# Altium PCB 2-quilter-output.pcbdoc (part 4 of 17) (continued)
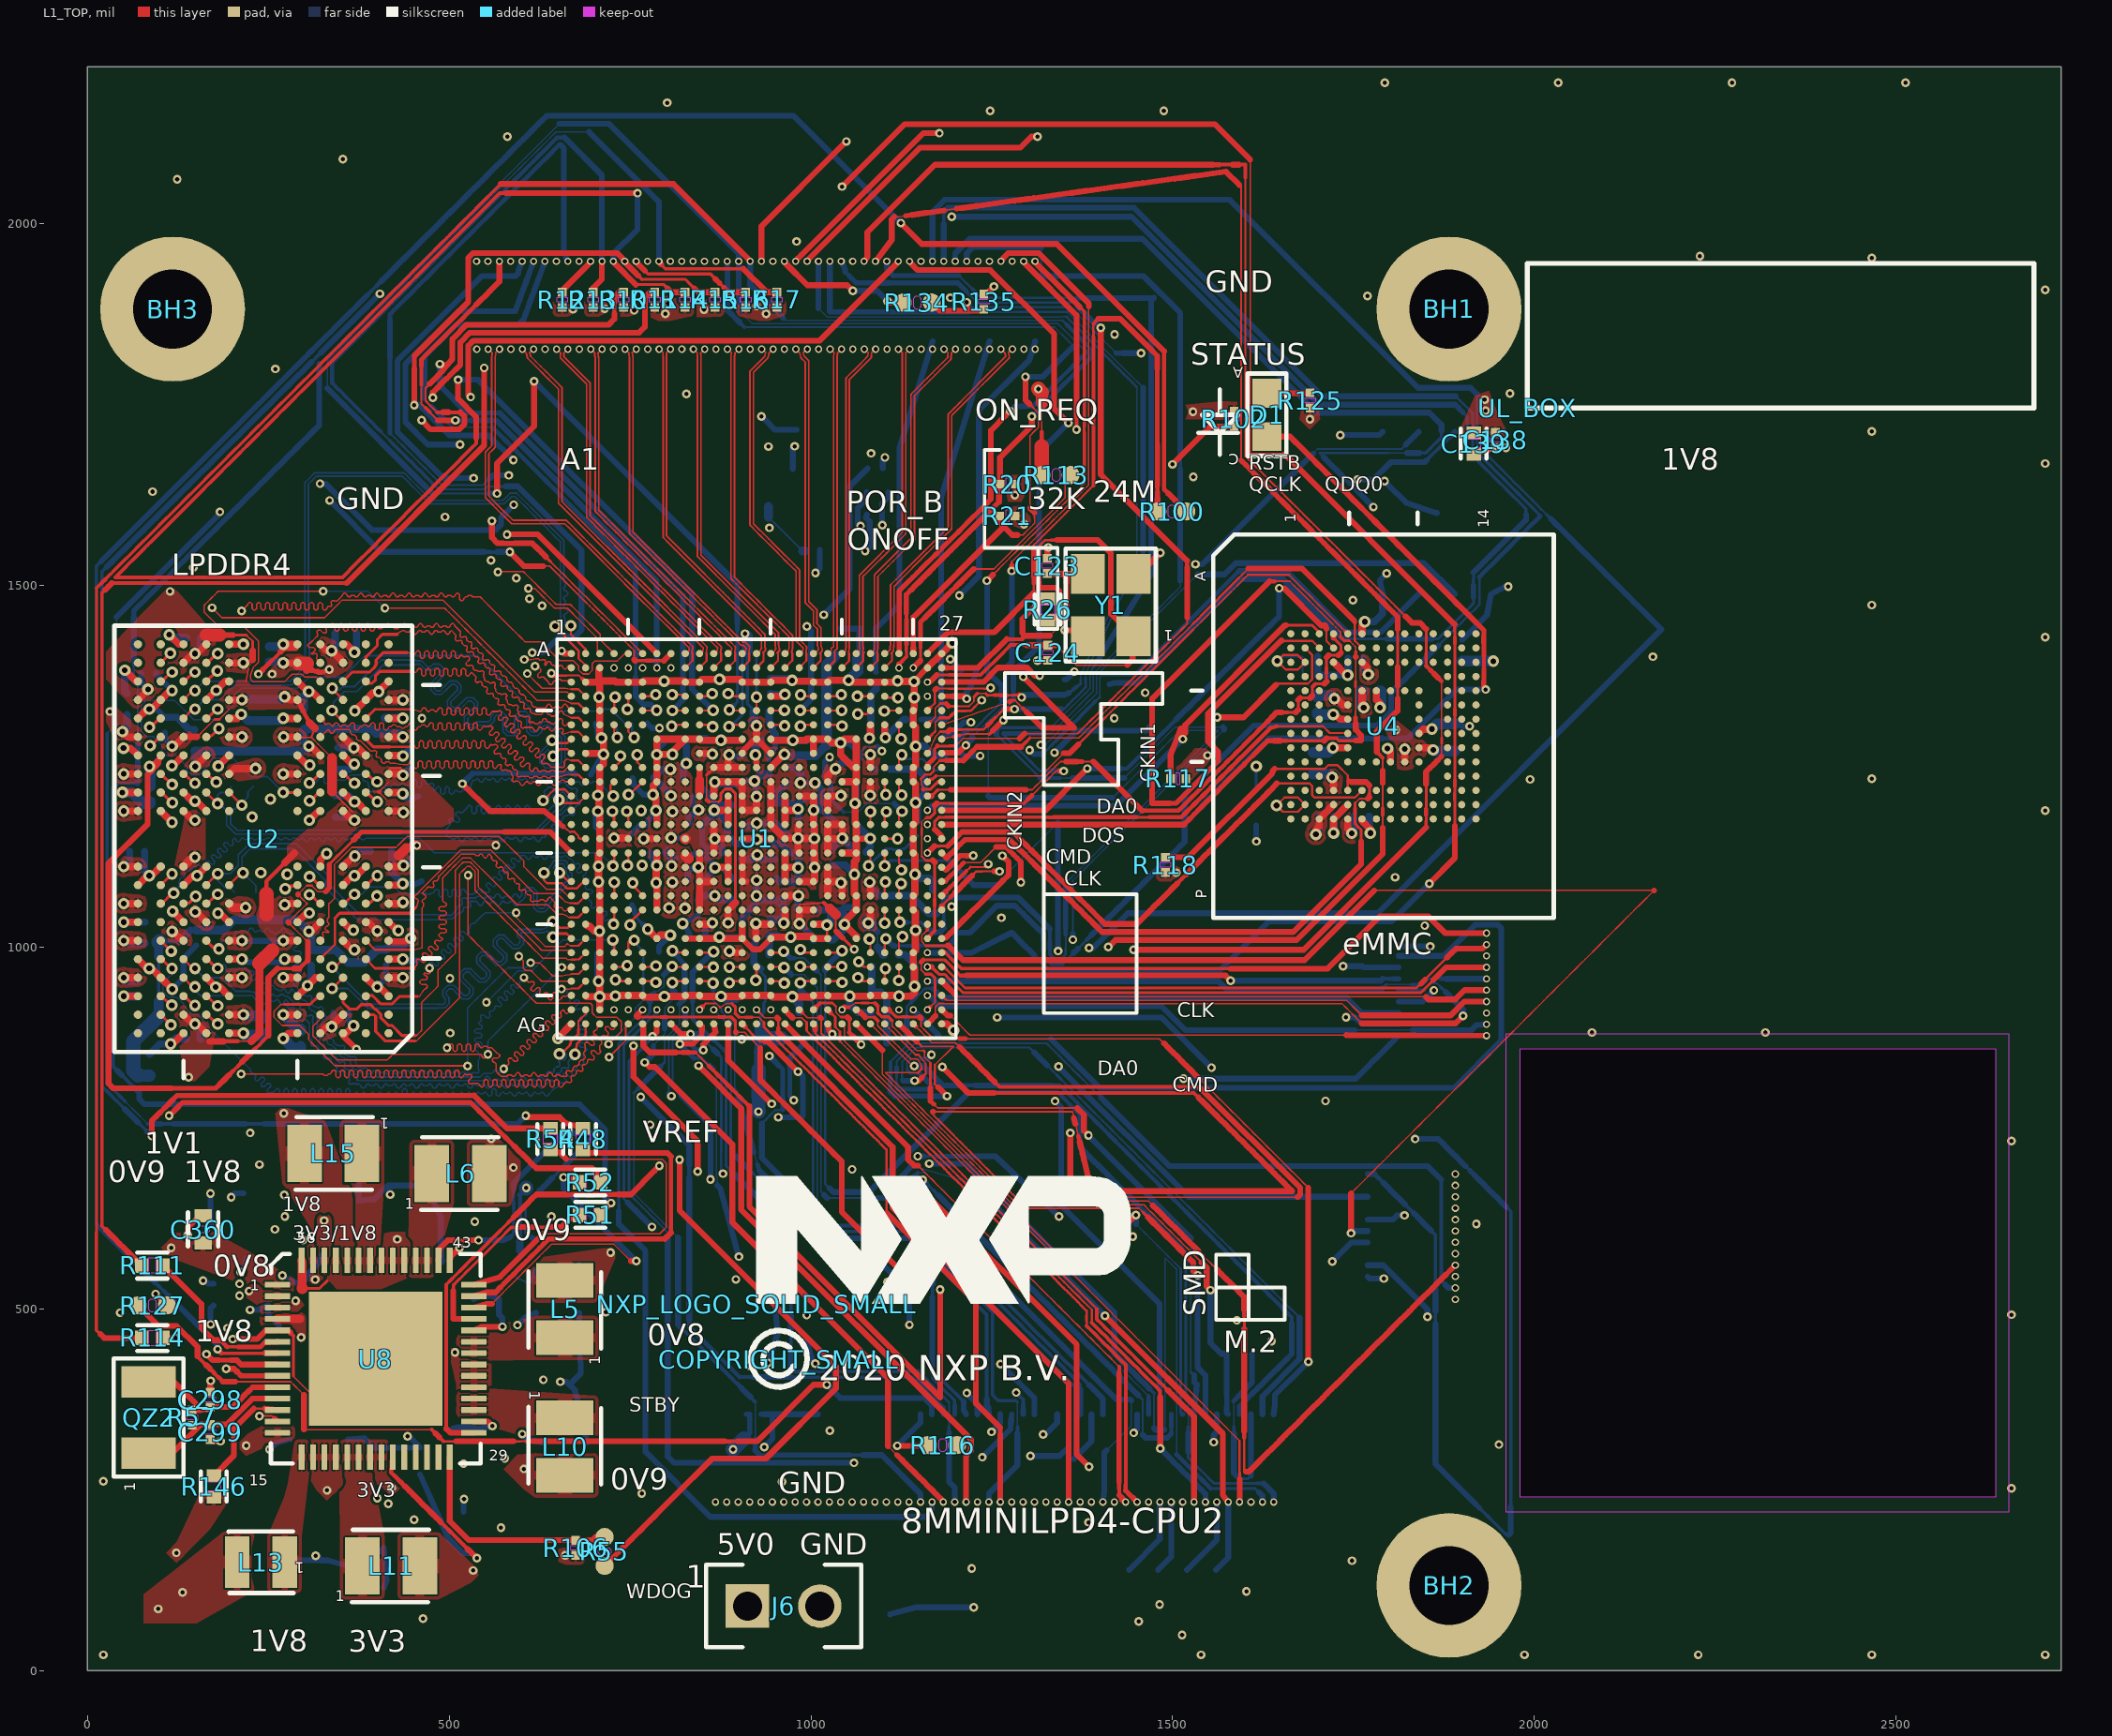
[diagram p0: L1_TOP view]
## Nets (pads, with @x,y where several pads share a name; then routed paths per layer and width w, separated by ;. In a path a pad name is that pad's centre, name@x,y a point inside that pad or via, vN(x,y) a via of type N, cw(c..) or ccw(c..) an arc to the next point about the centre after c; other vN are vias at no path point) (continued)
  L1_TOP w3: 668.98,1297.55 678.83,1297.55 U1.G2@688.67,1287.7
  L1_TOP w4.1: U2.Y2@385.06,1367.42 387.84,1364.64 393.65,1364.64 398.5,1369.49 398.5,1375.5 404.21,1381.21 445.48,1381.21
DRAMA_DATA10: U1.J1 U2.V4 | length 651.9
  L1_TOP w2: U2.V4@322.07,1316.24 327.87,1316.24 327.87,1313.36 327.17,1312.65 327.17,1309.77 328.58,1308.36 331.46,1308.36 332.17,1309.06 335.05,1309.06 339.07,1305.05 341.11,1307.08 341.11,1308.08 343.14,1310.12 345.14,1310.12 347.18,1308.08 347.18,1307.08 349.22,1305.05 351.22,1305.05 353.26,1307.08 357.26,1307.08 359.3,1305.05 361.3,1305.05 363.34,1307.08 363.34,1308.08 365.37,1310.12 367.37,1310.12 369.41,1308.08 369.41,1302.01 371.45,1299.97 373.45,1299.97 375.49,1302.01 375.49,1303.01 377.52,1305.05 379.53,1305.05 381.56,1307.08 385.57,1307.08 387.6,1305.05 389.61,1305.05 391.64,1307.08 391.64,1308.08 393.68,1310.12 395.68,1310.12 397.72,1308.08 397.72,1302.01 399.75,1299.97 401.76,1299.97 403.79,1302.01 403.79,1308.08 405.83,1310.12 407.83,1310.12 409.87,1308.08 409.87,1302.01 411.91,1299.97 413.91,1299.97 415.94,1302.01 415.94,1303.01 417.98,1305.05 419.98,1305.05 422.02,1307.08 426.02,1307.08 428.06,1305.05 430.06,1305.05 432.06,1305.05 434.1,1303.01 438.11,1303.01 440.14,1305.05 442.14,1305.05 444.18,1307.08 444.18,1308.08 446.22,1310.12 448.22,1310.12 450.26,1308.08 450.26,1302.01 452.29,1299.97 454.3,1299.97 456.33,1302.01 456.33,1303.01 458.37,1305.05 460.37,1305.05 462.41,1307.08 466.41,1307.08 468.45,1305.05 470.45,1305.05 472.49,1307.08 472.49,1308.08 474.52,1310.12 476.53,1310.12 478.56,1308.08 478.56,1302.01 480.6,1299.97 482.6,1299.97 484.64,1302.01 484.64,1308.08 486.68,1310.12 488.68,1310.12 490.71,1308.08 490.71,1302.01 492.75,1299.97 494.75,1299.97 496.79,1302.01 496.79,1308.08 498.83,1310.12 500.83,1310.12 502.87,1308.08 502.87,1302.01 504.9,1299.97 506.9,1299.97 508.94,1302.01 508.94,1308.08 510.98,1310.12 512.98,1310.12 515.02,1308.08 515.02,1302.01 517.05,1299.97 519.06,1299.97 521.09,1302.01 521.09,1308.08 523.13,1310.12 525.13,1310.12 527.17,1308.08 527.17,1302.01 529.2,1299.97 531.21,1299.97 533.24,1302.01 533.24,1308.08 535.28,1310.12 537.28,1310.12 539.32,1308.08 539.32,1302.01 541.36,1299.97 543.36,1299.97 545.39,1302.01 545.39,1303.01 547.43,1305.05 552.32,1305.05 555.2,1305.05 555.91,1305.75 558.79,1305.75 560.2,1304.34 560.2,1301.46 555.91,1297.16 555.91,1294.28 557.32,1292.87 560.2,1292.87 564.5,1297.16 567.38,1297.16 568.79,1295.75 568.79,1292.87 564.5,1288.57 564.5,1285.69 565.91,1284.27 568.79,1284.27 573.09,1288.57 575.97,1288.57 577.39,1287.15 577.39,1284.27 573.09,1279.98 573.09,1277.1 574.51,1275.68 577.39,1275.68 581.68,1279.98 584.56,1279.98 585.98,1278.56 585.98,1275.68 581.68,1271.38 581.68,1268.5 583.1,1267.09 585.98,1267.09 590.27,1271.38 593.16,1271.38 594.57,1269.97 594.57,1267.09 590.27,1262.79 590.27,1259.91 591.69,1258.5 594.57,1258.5 598.87,1262.79 601.75,1262.79 603.16,1261.38 603.16,1258.5 598.87,1254.2 598.87,1251.32 600.28,1249.9 603.16,1249.9 607.46,1254.2 610.34,1254.2 611.75,1252.79 611.75,1249.9 611.05,1249.2 611.05,1246.32 614.73,1242.63 616.77,1244.67 616.77,1245.67 618.81,1247.71 620.81,1247.71 622.84,1245.67 622.84,1244.67 624.88,1242.63 626.88,1242.63 628.92,1244.67 632.92,1244.67 634.96,1242.63 636.96,1242.63 638.96,1242.63 641,1244.67 645.01,1244.67 647.04,1242.63 649.04,1242.63 653.65,1242.63 658.26,1242.63 663.94,1248.31 U1.J1@668.98,1248.32
DRAMA_DATA11: U1.J2 U2.V2 | length 571.9
  L1_TOP w2: 448.54,1328.95 454.39,1327.42 460.51,1325.81 462.54,1327.84 462.54,1328.84 464.58,1330.88 466.58,1330.88 468.62,1328.84 468.62,1327.84 470.65,1325.81 472.66,1325.81 474.69,1327.84 478.7,1327.84 480.73,1325.81 482.74,1325.81 484.77,1327.84 484.77,1328.84 486.81,1330.88 488.81,1330.88 490.85,1328.84 490.85,1322.77 492.89,1320.73 494.89,1320.73 496.92,1322.77 496.92,1328.84 498.96,1330.88 500.96,1330.88 503,1328.84 503,1322.77 505.04,1320.73 507.04,1320.73 509.08,1322.77 509.08,1328.84 511.11,1330.88 513.11,1330.88 515.15,1328.84 515.15,1322.77 517.19,1320.73 519.19,1320.73 521.23,1322.77 521.23,1328.84 523.26,1330.88 525.27,1330.88 527.3,1328.84 527.3,1322.77 529.34,1320.73 531.34,1320.73 533.38,1322.77 533.38,1328.84 535.41,1330.88 537.42,1330.88 539.45,1328.84 539.45,1322.77 541.49,1320.73 543.49,1320.73 545.53,1322.77 545.53,1328.84 547.57,1330.88 549.57,1330.88 551.6,1328.84 551.6,1322.77 553.64,1320.73 555.64,1320.73 557.68,1322.77 557.68,1323.77 559.72,1325.81 564.52,1325.81 567.4,1325.81 568.11,1326.51 570.99,1326.51 572.4,1325.1 572.4,1322.22 568.11,1317.92 568.11,1315.04 569.52,1313.63 572.4,1313.63 576.7,1317.92 579.58,1317.92 580.99,1316.51 580.99,1313.63 576.7,1309.33 576.7,1306.45 578.11,1305.03 580.99,1305.03 585.29,1309.33 588.17,1309.33 589.59,1307.91 589.59,1305.03 585.29,1300.74 585.29,1297.86 586.71,1296.44 589.59,1296.44 593.88,1300.74 596.76,1300.74 598.18,1299.32 598.18,1296.44 593.88,1292.15 593.88,1289.27 595.3,1287.85 598.18,1287.85 602.47,1292.15 605.35,1292.15 606.77,1290.73 606.77,1287.85 602.47,1283.55 602.47,1280.67 603.89,1279.26 606.77,1279.26 611.07,1283.55 613.95,1283.55 615.36,1282.14 615.36,1279.26 611.07,1274.96 611.07,1272.08 612.48,1270.67 615.36,1270.67 619.66,1274.96 622.54,1274.96 623.95,1273.55 623.95,1270.67 619.66,1266.37 619.66,1263.49 621.07,1262.07 623.95,1262.07 628.25,1266.37 631.13,1266.37 632.55,1264.95 632.55,1262.07 628.25,1257.78 628.25,1254.9 629.67,1253.48 632.55,1253.48 633.25,1254.19 636.13,1254.19 640.97,1249.35 646.46,1249.35 651.94,1249.35 654.82,1249.35 655.53,1248.64 658.41,1248.64 659.82,1250.06 659.82,1252.94 659.11,1253.65 659.11,1256.53 662.93,1260.34 667.48,1258.15
  L1_TOP w3: 668.98,1258.16 678.83,1258.16 U1.J2@688.67,1248.32
  L1_TOP w3.3: 397.71,1328.89 446.89,1328.89
  L1_TOP w4.1: U2.V2@385.06,1316.24 397.71,1328.89
DRAMA_DATA12: U1.K2 U2.U2 | length 495.5
  L1_TOP w2: 446.97,1276.97 450.14,1280.16 450.57,1280.16 452.61,1278.12 452.61,1277.12 454.65,1275.08 456.65,1275.08 458.69,1277.12 458.69,1283.19 460.72,1285.23 462.73,1285.23 464.76,1283.19 464.76,1277.12 466.8,1275.08 468.8,1275.08 470.84,1277.12 470.84,1283.19 472.87,1285.23 474.88,1285.23 476.91,1283.19 476.91,1277.12 478.95,1275.08 480.95,1275.08 482.99,1277.12 482.99,1283.19 485.03,1285.23 487.03,1285.23 489.06,1283.19 489.06,1277.12 491.1,1275.08 493.1,1275.08 495.14,1277.12 495.14,1283.19 497.18,1285.23 499.18,1285.23 501.22,1283.19 501.22,1277.12 503.25,1275.08 505.25,1275.08 507.29,1277.12 507.29,1283.19 509.33,1285.23 511.33,1285.23 513.37,1283.19 513.37,1277.12 515.4,1275.08 517.41,1275.08 519.44,1277.12 519.44,1283.19 521.48,1285.23 523.48,1285.23 525.52,1283.19 525.52,1277.12 527.55,1275.08 529.56,1275.08 531.59,1277.12 531.59,1283.19 533.63,1285.23 535.63,1285.23 537.67,1283.19 537.67,1277.12 539.71,1275.08 541.71,1275.08 543.74,1277.12 543.74,1283.19 545.78,1285.23 547.78,1285.23 549.82,1283.19 549.82,1277.12 551.86,1275.08 553.86,1275.08 555.9,1277.12 555.9,1278.12 557.93,1280.16 558.86,1279.23 561.74,1279.23 562.44,1279.94 565.32,1279.94 566.74,1278.52 566.74,1275.64 562.44,1271.35 562.44,1268.47 563.86,1267.05 566.74,1267.05 567.45,1267.76 570.33,1267.76 571.74,1266.34 571.74,1263.46 574.58,1260.63 577.46,1260.63 578.87,1259.22 578.87,1256.34 578.16,1255.63 578.16,1252.75 579.58,1251.33 582.46,1251.33 583.17,1252.04 586.05,1252.04 587.46,1250.62 587.46,1247.74 590.3,1244.91 593.18,1244.91 594.59,1243.5 594.59,1240.62 593.88,1239.91 593.88,1237.03 595.3,1235.61 598.18,1235.61 598.89,1236.32 601.77,1236.32 607.34,1236.32 609.34,1236.32 611.38,1234.28 615.38,1234.28 617.42,1236.32 619.42,1236.32 621.42,1236.32 623.46,1234.28 627.46,1234.28 629.5,1236.32 631.5,1236.32 633.5,1236.32 635.54,1234.28 639.54,1234.28 641.58,1236.32 643.58,1236.32 645.58,1236.32 647.62,1234.28 651.62,1234.28 653.66,1236.32 655.66,1236.32 661.61,1237.78 667.48,1239.21
  L1_TOP w3: 668.98,1238.47 678.83,1238.47 U1.K2@688.67,1228.64
  L1_TOP w3.3: 418.31,1276.97 445.3,1276.97
  L1_TOP w4.1: U2.U2@385.06,1290.65 385.06,1288.65 387.76,1285.94 387.76,1284.73 395.52,1276.97 418.31,1276.97
DRAMA_DATA13: U1.K1 U2.U4 | length 584.4
  L1_TOP w2: U2.U4@322.07,1290.65 326.48,1294.43 329.72,1297.67 332.96,1300.92 335,1298.88 335,1297.88 337.04,1295.84 339.04,1295.84 341.08,1297.88 341.08,1298.88 343.11,1300.92 349.15,1300.92 355.19,1300.92 362.06,1300.92 363.48,1299.5 363.48,1296.62 366.31,1293.79 369.19,1293.79 370.6,1292.37 372.02,1290.96 372.02,1288.08 374.85,1285.25 377.73,1285.25 379.15,1283.83 383.42,1279.56 387.69,1275.29 391.96,1271.02 394.84,1271.02 395.55,1271.72 398.43,1271.72 399.84,1270.31 399.84,1267.43 399.14,1266.72 399.14,1263.84 400.55,1262.42 403.43,1262.42 406.26,1259.59 406.26,1256.71 407.68,1255.3 408.95,1254.02 410.95,1254.02 412.99,1256.06 416.99,1256.06 419.03,1254.02 421.03,1254.02 425.56,1254.02 431.29,1253.23 437.02,1252.44 443.06,1252.44 445.1,1254.48 445.1,1255.48 447.13,1257.52 449.13,1257.52 451.17,1255.48 451.17,1249.4 453.21,1247.37 455.21,1247.37 457.25,1249.4 457.25,1255.48 459.28,1257.52 461.29,1257.52 463.32,1255.48 463.32,1249.4 465.36,1247.37 467.36,1247.37 469.4,1249.4 469.4,1255.48 471.43,1257.52 473.44,1257.52 475.47,1255.48 475.47,1249.4 477.51,1247.37 479.51,1247.37 481.55,1249.4 481.55,1255.48 483.59,1257.52 485.59,1257.52 487.62,1255.48 487.62,1249.4 489.66,1247.37 491.66,1247.37 493.7,1249.4 493.7,1255.48 495.74,1257.52 497.74,1257.52 499.78,1255.48 499.78,1249.4 501.81,1247.37 503.81,1247.37 505.85,1249.4 505.85,1255.48 507.89,1257.52 509.89,1257.52 511.93,1255.48 511.93,1249.4 513.96,1247.37 515.97,1247.37 518,1249.4 518,1255.48 520.04,1257.52 522.04,1257.52 524.08,1255.48 524.08,1249.4 526.12,1247.37 528.12,1247.37 530.15,1249.4 530.15,1255.48 532.19,1257.52 534.19,1257.52 536.23,1255.48 536.23,1249.4 538.27,1247.37 540.27,1247.37 542.3,1249.4 542.3,1255.48 544.34,1257.52 546.34,1257.52 548.38,1255.48 548.38,1249.4 550.42,1247.37 552.42,1247.37 554.46,1249.4 554.46,1255.48 556.49,1257.52 558.49,1257.52 560.53,1255.48 560.53,1249.4 562.57,1247.37 564.57,1247.37 566.61,1249.4 566.61,1250.41 568.64,1252.44 572.43,1252.44 572.43,1249.56 571.72,1248.85 571.72,1245.97 573.14,1244.56 576.02,1244.56 576.73,1245.27 579.61,1245.27 581.02,1243.85 583.9,1243.85 586.73,1241.02 586.73,1238.14 588.15,1236.72 588.15,1233.84 587.44,1233.13 587.44,1230.25 588.86,1228.84 591.74,1228.84 592.45,1229.55 595.33,1229.55 596.23,1228.64 598.27,1226.6 598.27,1225.6 600.3,1223.57 602.31,1223.57 604.34,1225.6 604.34,1226.6 606.38,1228.64 608.38,1228.64 610.42,1226.6 614.42,1226.6 616.46,1228.64 618.46,1228.64 620.5,1226.6 620.5,1225.6 622.54,1223.57 624.54,1223.57 626.57,1225.6 626.57,1226.6 628.61,1228.64 630.61,1228.64 632.65,1226.6 636.65,1226.6 638.69,1228.64 640.69,1228.64 642.73,1226.6 642.73,1225.6 644.77,1223.57 646.77,1223.57 648.8,1225.6 648.8,1226.6 650.84,1228.64 652.84,1228.64 654.88,1230.68 658.88,1230.68 660.92,1228.64 662.92,1228.64 663.94,1228.64 U1.K1@668.98,1228.64
DRAMA_DATA14: U1.E1 U2.AA4 | length 640.2
  L1_TOP w2: U2.AA4@322.07,1393.01 317.99,1397.09 317.2,1397.88 317.2,1400.76 317.91,1401.47 317.91,1404.35 316.49,1405.76 313.61,1405.76 312.9,1405.06 310.02,1405.06 310.02,1405.87 312.06,1407.91 313.06,1407.91 315.1,1409.94 315.1,1411.94 313.06,1413.98 306.99,1413.98 304.95,1416.02 304.95,1418.02 306.99,1420.06 307.99,1420.06 310.02,1422.09 314.23,1426.3 318.44,1430.51 318.44,1433.39 317.73,1434.09 317.73,1436.98 319.14,1438.39 322.02,1438.39 326.32,1434.09 329.2,1434.09 330.62,1435.51 330.62,1438.39 329.91,1439.1 329.91,1441.98 333.98,1441.98 336.02,1444.02 336.02,1445.02 338.05,1447.05 340.06,1447.05 342.09,1445.02 342.09,1438.94 344.13,1436.9 346.13,1436.9 348.17,1438.94 348.17,1445.02 350.2,1447.05 352.21,1447.05 354.24,1445.02 354.24,1438.94 356.28,1436.9 358.28,1436.9 360.32,1438.94 360.32,1445.02 362.36,1447.05 364.36,1447.05 366.39,1445.02 366.39,1438.94 368.43,1436.9 370.43,1436.9 372.47,1438.94 372.47,1445.02 374.51,1447.05 376.51,1447.05 378.55,1445.02 378.55,1438.94 380.58,1436.9 382.58,1436.9 384.62,1438.94 384.62,1445.02 386.66,1447.05 388.66,1447.05 390.7,1445.02 390.7,1438.94 392.73,1436.9 394.74,1436.9 396.77,1438.94 396.77,1439.94 398.81,1441.98 400.81,1441.98 402.85,1439.94 406.85,1439.94 408.89,1441.98 410.89,1441.98 412.93,1444.02 412.93,1445.02 414.96,1447.05 416.97,1447.05 419,1445.02 419,1444.02 421.04,1441.98 423.04,1441.98 425.08,1439.94 429.08,1439.94 431.12,1441.98 433.12,1441.98 435.16,1444.02 435.16,1445.02 437.19,1447.05 439.2,1447.05 441.23,1445.02 441.23,1444.02 443.27,1441.98 445.27,1441.98 447.31,1444.02 451.31,1444.02 453.35,1441.98 455.35,1441.98 457.39,1444.02 457.39,1445.02 459.43,1447.05 461.43,1447.05 463.46,1445.02 463.46,1444.02 465.5,1441.98 467.5,1441.98 469.54,1444.02 473.54,1444.02 475.58,1441.98 477.58,1441.98 479.62,1444.02 479.62,1445.02 481.66,1447.05 483.66,1447.05 485.69,1445.02 485.69,1444.02 487.73,1441.98 489.73,1441.98 491.77,1444.02 495.77,1444.02 497.81,1441.98 499.81,1441.98 501.85,1444.02 501.85,1445.02 503.89,1447.05 505.89,1447.05 507.93,1445.02 507.93,1444.02 509.96,1441.98 515.74,1436.2 515.74,1433.32 515.03,1432.61 515.03,1429.73 516.45,1428.32 519.33,1428.32 520.03,1429.03 522.91,1429.03 524.33,1427.61 524.33,1424.73 527.16,1421.9 530.04,1421.9 531.46,1420.48 531.46,1417.6 530.75,1416.9 530.75,1414.01 532.17,1412.6 535.05,1412.6 535.75,1413.31 538.63,1413.31 540.05,1411.89 540.05,1409.01 542.88,1406.18 545.76,1406.18 547.18,1404.76 547.18,1401.88 546.47,1401.18 546.47,1398.3 547.89,1396.88 550.77,1396.88 551.47,1397.59 554.35,1397.59 555.77,1396.17 555.77,1393.29 558.6,1390.46 561.48,1390.46 562.9,1389.04 562.9,1386.16 562.19,1385.46 562.19,1382.58 563.6,1381.16 566.49,1381.16 567.19,1381.87 570.07,1381.87 571.49,1380.45 571.49,1377.57 574.32,1374.74 577.2,1374.74 578.62,1373.33 580.03,1371.91 580.03,1369.03 582.86,1366.2 585.74,1366.2 587.16,1364.78 588.57,1363.37 588.57,1360.49 591.41,1357.65 594.29,1357.65 595.7,1356.24 597.12,1354.82 597.12,1351.94 599.95,1349.11 602.83,1349.11 604.25,1347.7 605.66,1346.28 605.66,1343.4 608.49,1340.57 611.37,1340.57 612.79,1339.15 614.2,1337.74 614.2,1334.86 617.04,1332.03 619.92,1332.03 621.33,1330.61 627.18,1330.61 633.03,1330.61 635.07,1332.65 635.07,1333.65 637.11,1335.68 639.11,1335.68 641.15,1333.65 641.15,1332.65 643.18,1330.61 645.18,1330.61 647.22,1332.65 651.23,1332.65 653.26,1330.61 655.26,1330.61 657.3,1332.65 657.3,1333.65 659.34,1335.68 661.34,1335.68 663.38,1333.65 663.38,1332.65 665.41,1330.61 U1.E1@668.98,1327.06
DRAMA_DATA15: U1.E2 U2.Y4 | length 864.7
  L1_TOP w2: U2.Y4@322.07,1367.42 316.02,1373.47 308.3,1373.47 300.57,1373.47 296.63,1377.4 289.97,1377.4 283.31,1377.4 277.99,1372.08 272.67,1366.76 264.02,1366.76 255.38,1366.76 246.73,1366.76 238.08,1366.76 229.44,1366.76 225.71,1370.49 225.71,1376.53 227.54,1381.53 229.37,1386.54 233.03,1390.2 236.7,1393.86 236.7,1401.15 236.7,1408.43 236.7,1415.72 236.7,1423.01 231.34,1428.37 225.98,1433.73 220.62,1439.09 215.26,1444.44 206.53,1444.44 197.8,1444.44 189.07,1444.44 180.34,1444.44 174.06,1450.72 167.78,1457 161.51,1463.27 161.51,1467.84 161.51,1472.41 166.4,1477.31 171.3,1482.21 176.19,1487.1 181.09,1492 189.97,1492 198.85,1492 207.74,1492 216.62,1492 225.5,1492 234.39,1492 243.27,1492 252.15,1492 261.04,1492 269.92,1492 278.8,1492 287.69,1492 296.57,1492 305.45,1492 314.33,1492 320.29,1492 v1(326.24,1492) ; v1(411.29,1468.68) 419.55,1468.68 427.82,1468.68 436.08,1468.68 444.34,1468.68 452.6,1468.68 460.86,1468.68 469.12,1468.68 477.39,1468.68 485.65,1468.68 493.91,1468.68 499.99,1462.6 506.07,1456.52 512.15,1450.44 518.23,1444.36 524.31,1438.28 530.39,1432.2 536.47,1426.12 542.55,1420.04 548.64,1413.96 554.72,1407.88 560.8,1401.79 566.88,1395.71 572.96,1389.63 579.04,1383.55 585.12,1377.47 591.2,1371.39 597.28,1365.31 603.36,1359.23 609.44,1353.15 615.52,1347.07 621.6,1340.99 629.13,1340.99 636.66,1340.99 644.19,1340.99 651.72,1340.99 659.25,1340.99 667.48,1337.64
  L1_TOP w3: 668.98,1336.9 678.83,1336.9 U1.E2@688.67,1327.06
  L8_BOT w2: v1(326.24,1492) 335.06,1492 343.88,1492 352.7,1492 361.52,1492 370.34,1492 379.16,1492 387.98,1492 393.81,1486.17 399.64,1480.34 405.46,1474.51 v1(411.29,1468.68)
DRAMA_DMI0: U1.A4 U2.Y10 | length 890.6
  L1_TOP w2: v1(567.42,1518.58) 568.08,1519.25 576.71,1519.25 585.34,1519.25 593.96,1519.25 602.59,1519.25 608.28,1513.56 613.97,1507.87 619.66,1502.17 625.35,1496.48 631.04,1490.79 636.73,1485.1 642.42,1479.41 648.11,1473.72 654.58,1473.72 661.05,1473.72 667.51,1473.72 673.43,1467.81 679.35,1461.89 685.27,1455.97 691.18,1450.05 697.1,1444.14 703.02,1438.22 708.93,1432.3 708.93,1424.9 715.3,1418.54 721.67,1412.17 U1.A4@728.04,1405.81
  L1_TOP w4.1: U2.Y10@133.09,1367.42 134.57,1367.42 147.36,1380.21 v2(148.84,1380.21)
  L3_INNER1 w2: v2(148.84,1380.21) 148.84,1384.78 148.84,1389.35 153.62,1394.13 158.4,1398.92 163.18,1403.7 163.18,1404.71 169.51,1411.03 175.84,1417.36 182.16,1423.68 188.49,1430.01 194.81,1436.33 201.14,1442.66 207.46,1448.98 215.99,1448.98 224.51,1448.98 233.03,1448.98 241.55,1448.98 250.08,1448.98 258.6,1448.98 267.12,1448.98 275.65,1448.98 284.17,1448.98 292.69,1448.98 301.21,1448.98 309.74,1448.98 316.06,1455.31 322.39,1461.64 328.72,1467.97 335.05,1474.29 341.37,1480.62 347.7,1486.95 354.03,1493.27 360.35,1499.6 366.68,1505.93 373.01,1512.25 379.33,1518.58 388.21,1518.58 397.09,1518.58 405.97,1518.58 407.97,1518.58 410.01,1516.54 414.01,1516.54 416.05,1518.58 418.05,1518.58 420.09,1520.62 420.09,1521.62 422.12,1523.66 424.12,1523.66 426.16,1521.62 426.16,1515.54 428.2,1513.51 430.2,1513.51 432.24,1515.54 432.24,1521.62 434.27,1523.66 436.28,1523.66 438.31,1521.62 438.31,1515.54 440.35,1513.51 442.35,1513.51 444.39,1515.54 444.39,1521.62 446.42,1523.66 448.43,1523.66 450.46,1521.62 450.46,1515.54 452.5,1513.51 454.5,1513.51 456.54,1515.54 456.54,1521.62 458.58,1523.66 460.58,1523.66 462.61,1521.62 462.61,1515.54 464.65,1513.51 466.65,1513.51 468.69,1515.54 468.69,1521.62 470.73,1523.66 472.73,1523.66 474.77,1521.62 474.77,1515.54 476.8,1513.51 478.8,1513.51 480.84,1515.54 480.84,1521.62 482.88,1523.66 484.88,1523.66 486.92,1521.62 486.92,1515.54 488.95,1513.51 490.96,1513.51 492.99,1515.54 492.99,1521.62 495.03,1523.66 497.03,1523.66 499.07,1521.62 499.07,1515.54 501.1,1513.51 503.11,1513.51 505.14,1515.54 505.14,1521.62 507.18,1523.66 509.18,1523.66 511.22,1521.62 511.22,1515.54 513.26,1513.51 515.26,1513.51 517.29,1515.54 517.29,1521.62 519.33,1523.66 521.33,1523.66 523.37,1521.62 523.37,1515.54 525.41,1513.51 527.41,1513.51 529.45,1515.54 529.45,1521.62 531.48,1523.66 533.48,1523.66 535.52,1521.62 535.52,1515.54 537.56,1513.51 539.56,1513.51 541.6,1515.54 541.6,1521.62 543.63,1523.66 545.64,1523.66 547.67,1521.62 547.67,1515.54 549.71,1513.51 551.71,1513.51 553.75,1515.54 553.75,1516.54 555.78,1518.58 557.27,1518.58 559.31,1516.54 559.31,1515.54 561.34,1513.51 563.34,1513.51 565.38,1515.54 565.38,1516.54 v1(567.42,1518.58)
DRAMA_DMI1: U1.F1 U2.Y3 | length 521
  L1_TOP w2: 444.41,1407.01 448.08,1404.39 452.06,1404.39 454.1,1406.43 454.1,1407.43 456.14,1409.47 458.14,1409.47 460.18,1407.43 460.18,1401.36 462.21,1399.32 464.22,1399.32 466.25,1401.36 466.25,1407.43 468.29,1409.47 470.29,1409.47 472.33,1407.43 472.33,1401.36 474.36,1399.32 476.37,1399.32 478.4,1401.36 478.4,1407.43 480.44,1409.47 482.44,1409.47 484.48,1407.43 484.48,1401.36 486.52,1399.32 488.52,1399.32 490.55,1401.36 490.55,1407.43 492.59,1409.47 494.59,1409.47 496.63,1407.43 496.63,1401.36 498.67,1399.32 500.67,1399.32 502.71,1401.36 502.71,1407.43 504.74,1409.47 506.74,1409.47 508.78,1407.43 508.78,1401.36 510.82,1399.32 512.82,1399.32 514.86,1401.36 514.86,1402.36 516.89,1404.39 520.29,1401 523.17,1401 523.88,1401.7 526.76,1401.7 528.18,1400.29 528.18,1397.41 523.88,1393.11 523.88,1390.23 525.3,1388.81 528.18,1388.81 528.88,1389.52 531.76,1389.52 533.18,1388.11 533.18,1385.23 536.01,1382.4 538.89,1382.4 540.31,1380.98 543.19,1380.98 543.9,1381.69 546.78,1381.69 548.19,1380.27 548.19,1377.39 547.48,1376.68 547.48,1373.8 548.9,1372.39 548.9,1369.51 551.73,1366.68 554.61,1366.68 556.03,1365.26 558.91,1365.26 559.61,1365.97 562.5,1365.97 563.91,1364.55 563.91,1361.67 563.2,1360.96 563.2,1358.08 564.62,1356.67 564.62,1353.79 567.45,1350.96 570.33,1350.96 571.75,1349.54 574.63,1349.54 575.33,1350.25 578.21,1350.25 579.63,1348.83 579.63,1345.95 578.92,1345.24 578.92,1342.36 580.34,1340.95 580.34,1338.07 583.17,1335.24 586.05,1335.24 587.47,1333.82 590.35,1333.82 591.05,1334.53 593.93,1334.53 595.35,1333.11 595.35,1330.23 594.64,1329.53 594.64,1326.64 596.06,1325.23 596.06,1322.35 598.89,1319.52 601.77,1319.52 603.18,1318.1 606.07,1318.1 606.77,1318.81 609.65,1318.81 611.07,1317.39 611.07,1314.51 610.36,1313.81 610.36,1310.93 614.88,1310.93 616.88,1310.93 618.92,1308.89 622.92,1308.89 624.96,1310.93 626.96,1310.93 628.99,1312.96 628.99,1313.96 631.03,1316 633.03,1316 635.07,1313.96 635.07,1312.96 637.11,1310.93 639.11,1310.93 641.15,1308.89 645.15,1308.89 647.19,1310.93 649.19,1310.93 651.23,1312.96 651.23,1313.96 653.26,1316 655.26,1316 657.3,1313.96 657.3,1307.89 659.34,1305.85 661.34,1305.85 663.38,1307.89 663.38,1308.89 665.41,1310.93 U1.F1@668.98,1307.38
  L1_TOP w4.1: U2.Y3@353.57,1367.42 366.37,1380.21 390.36,1380.21 397.86,1387.71 397.86,1389.11 399.2,1390.45 399.2,1397.03 409.17,1407 442.36,1407
DRAMA_nCS0: U1.K4 U2.R4 | length 662.3
  L1_TOP w3.3: v2@722.89,1212.9 v2(726.89,1208.9) 722.89,1208.9 722.89,1223.49 U1.K4@728.04,1228.64
  L1_TOP w4.1: v4(307,1227.15) 308.38,1227.15 320.69,1239.47 U2.R4@322.07,1239.47
  L8_BOT w2: v4@306.99,1227.15 315.04,1227.15 319.1,1231.21 321.14,1233.24 321.14,1234.24 323.17,1236.28 325.18,1236.28 327.21,1234.24 327.21,1228.17 329.25,1226.13 331.25,1226.13 333.29,1228.17 333.29,1229.17 335.32,1231.21 337.33,1231.21 339.36,1233.24 343.37,1233.24 345.4,1231.21 347.41,1231.21 352.06,1231.21 356.71,1231.21 359.95,1234.45 363.19,1237.69 366.13,1238.14 373.94,1238.14 376.82,1238.14 377.53,1238.85 380.41,1238.85 381.82,1237.43 381.82,1234.55 381.11,1233.84 381.11,1230.96 382.53,1229.55 385.41,1229.55 388.24,1226.72 388.24,1223.84 389.66,1222.42 389.66,1219.54 388.95,1218.83 388.95,1215.95 390.36,1214.54 393.25,1214.54 393.95,1215.24 396.83,1215.24 397.22,1214.86 399.22,1214.86 401.25,1216.9 405.26,1216.9 407.3,1214.86 409.3,1214.86 412.54,1214.86 412.54,1217.74 411.84,1218.45 411.84,1221.33 413.25,1222.75 416.13,1222.75 416.84,1222.04 419.72,1222.04 423.45,1225.77 425.45,1225.77 427.49,1223.73 431.5,1223.73 433.53,1225.77 435.53,1225.77 437.54,1225.77 439.57,1223.73 443.58,1223.73 445.61,1225.77 447.62,1225.77 449.65,1227.81 449.65,1228.81 451.69,1230.85 453.69,1230.85 455.73,1228.81 455.73,1222.73 457.76,1220.7 459.77,1220.7 461.8,1222.73 461.8,1228.81 463.84,1230.85 465.84,1230.85 467.88,1228.81 467.88,1227.81 469.92,1225.77 470.96,1225.77 473.85,1225.77 474.55,1226.48 477.43,1226.48 478.85,1225.06 478.85,1222.18 478.14,1221.48 478.14,1218.6 480.22,1216.51 482.26,1218.55 482.26,1219.55 484.3,1221.59 486.3,1221.59 488.33,1219.55 488.33,1213.48 490.37,1211.44 492.37,1211.44 494.41,1213.48 494.41,1219.55 496.45,1221.59 498.45,1221.59 500.48,1219.55 500.48,1213.48 502.52,1211.44 504.52,1211.44 506.56,1213.48 506.56,1214.48 508.6,1216.51 510.6,1216.51 512.64,1214.48 516.64,1214.48 518.68,1216.51 520.68,1216.51 522.67,1216.51 525.55,1216.51 526.25,1215.81 529.13,1215.81 530.55,1217.22 530.55,1220.1 529.84,1220.81 529.84,1223.69 531.26,1225.11 531.26,1227.99 534.09,1230.82 536.97,1230.82 538.39,1232.23 539.43,1233.28 541.46,1231.24 541.46,1230.24 543.5,1228.2 545.5,1228.2 547.54,1230.24 547.54,1231.24 549.58,1233.28 551.58,1233.28 553.62,1231.24 557.62,1231.24 559.66,1233.28 561.66,1233.28 563.7,1231.24 563.7,1230.24 565.73,1228.2 567.73,1228.2 569.77,1230.24 569.77,1231.24 571.81,1233.28 573.81,1233.28 575.85,1231.24 579.85,1231.24 581.89,1233.28 583.89,1233.28 585.93,1231.24 585.93,1230.24 587.96,1228.2 589.96,1228.2 592,1230.24 592,1231.24 594.04,1233.28 596.04,1233.28 598.08,1231.24 602.08,1231.24 604.12,1233.28 606.12,1233.28 608.16,1231.24 608.16,1230.24 610.19,1228.2 612.2,1228.2 614.23,1230.24 614.23,1231.24 616.27,1233.28 618.27,1233.28 620.31,1231.24 624.31,1231.24 626.35,1233.28 628.35,1233.28 630.39,1231.24 630.39,1230.24 632.42,1228.2 634.43,1228.2 636.46,1230.24 636.46,1231.24 638.5,1233.28 640.5,1233.28 642.54,1231.24 646.54,1231.24 648.58,1233.28 650.58,1233.28 656.62,1233.28 662.68,1233.28 666.91,1229.04 668.91,1229.04 670.95,1227.01 674.95,1227.01 676.99,1229.04 678.99,1229.04 681.03,1227.01 681.03,1226 683.07,1223.97 685.07,1223.97 687.1,1226 687.1,1227.01 689.14,1229.04 691.14,1229.04 693.18,1227.01 697.18,1227.01 699.22,1229.04 701.22,1229.04 706,1229.04 708.88,1229.04 709.59,1229.75 712.47,1229.75 713.88,1228.33 713.88,1225.45 713.18,1224.75 713.18,1221.87 716.61,1218.43 720.04,1215 720.04,1213.44 v2(726.89,1208.9)
DRAMA_nCS1: U1.J4 U2.R3 | length 621
  L1_TOP w3.3: U1.J4@728.04,1248.32 736.91,1257.19 v2(736.91,1264.32)
  L1_TOP w4.1: U2.R3@353.57,1239.47 355.04,1239.47 367.84,1226.67 v2(369.31,1226.67)
  L3_INNER1 w2: v2(369.31,1226.67) 377.36,1226.67 380.69,1226.67 381.17,1227.15 384.05,1227.15 384.75,1226.44 387.63,1226.44 389.05,1227.86 389.05,1230.74 388.34,1231.45 388.34,1234.33 389.76,1235.74 389.76,1238.62 392.59,1241.45 395.47,1241.45 396.89,1242.87 399.77,1242.87 400.47,1242.16 403.35,1242.16 404.77,1243.58 404.77,1246.46 404.06,1247.17 404.06,1250.05 407.23,1250.05 409.27,1248.01 409.27,1247.01 411.3,1244.97 413.3,1244.97 415.34,1247.01 415.34,1253.08 417.38,1255.12 419.38,1255.12 421.42,1253.08 421.42,1247.01 423.45,1244.97 425.46,1244.97 427.49,1247.01 427.49,1248.01 429.53,1250.05 431.53,1250.05 433.57,1252.08 437.57,1252.08 439.61,1250.05 441.61,1250.05 443.65,1248.01 443.65,1247.01 445.68,1244.97 447.69,1244.97 449.72,1247.01 449.72,1253.08 451.76,1255.12 453.76,1255.12 455.8,1253.08 455.8,1247.01 457.84,1244.97 459.84,1244.97 461.87,1247.01 461.87,1253.08 463.91,1255.12 465.91,1255.12 467.95,1253.08 467.95,1247.01 469.99,1244.97 471.99,1244.97 474.03,1247.01 474.03,1253.08 476.06,1255.12 478.06,1255.12 480.1,1253.08 480.1,1247.01 482.14,1244.97 484.14,1244.97 486.18,1247.01 486.18,1253.08 488.21,1255.12 490.21,1255.12 492.25,1253.08 492.25,1247.01 494.29,1244.97 496.29,1244.97 498.33,1247.01 498.33,1253.08 500.36,1255.12 502.37,1255.12 504.4,1253.08 504.4,1247.01 506.44,1244.97 508.44,1244.97 510.48,1247.01 510.48,1253.08 512.52,1255.12 514.52,1255.12 516.55,1253.08 516.55,1247.01 518.59,1244.97 520.59,1244.97 522.63,1247.01 522.63,1248.01 524.67,1250.05 526.67,1250.05 528.71,1248.01 532.71,1248.01 534.75,1250.05 536.75,1250.05 538.78,1252.08 538.78,1253.08 540.82,1255.12 542.82,1255.12 544.86,1253.08 544.86,1252.08 546.9,1250.05 548.9,1250.05 550.94,1248.01 554.94,1248.01 556.98,1250.05 558.98,1250.05 561.02,1252.08 561.02,1253.08 563.05,1255.12 565.05,1255.12 567.09,1253.08 567.09,1252.08 569.13,1250.05 571.13,1250.05 573.17,1248.01 577.17,1248.01 579.21,1250.05 581.21,1250.05 583.25,1252.08 583.25,1253.08 585.28,1255.12 587.28,1255.12 589.32,1253.08 589.32,1252.08 591.36,1250.05 593.36,1250.05 595.4,1248.01 599.4,1248.01 601.44,1250.05 603.44,1250.05 605.48,1252.08 605.48,1253.08 607.51,1255.12 609.52,1255.12 611.55,1253.08 611.55,1252.08 613.59,1250.05 615.59,1250.05 617.63,1248.01 621.63,1248.01 623.67,1250.05 625.67,1250.05 627.71,1252.08 627.71,1253.08 629.74,1255.12 631.75,1255.12 633.78,1253.08 633.78,1252.08 635.82,1250.05 637.82,1250.05 639.86,1248.01 643.86,1248.01 645.9,1250.05 647.9,1250.05 649.9,1250.05 651.94,1248.01 655.94,1248.01 657.98,1250.05 659.98,1250.05 662.02,1252.08 662.02,1253.08 664.06,1255.12 666.06,1255.12 668.1,1253.08 668.1,1252.08 670.13,1250.05 672.13,1250.05 674.17,1248.01 678.17,1248.01 680.21,1250.05 682.21,1250.05 684.25,1252.08 684.25,1253.08 686.29,1255.12 688.29,1255.12 690.33,1253.08 690.33,1252.08 692.36,1250.05 694.36,1250.05 696.4,1248.01 700.41,1248.01 702.44,1250.05 704.44,1250.05 706.48,1252.08 706.48,1253.08 708.52,1255.12 710.52,1255.12 712.56,1253.08 712.56,1252.08 714.59,1250.05 718.14,1253.59 721.68,1257.13 724.56,1257.13 725.27,1256.43 728.15,1256.43 729.57,1257.84 729.57,1260.72 728.86,1261.43 728.86,1264.31 v2(736.91,1264.32)